# Altium PCB TEBF0808.PcbDoc (part 9 of 11) (continued)
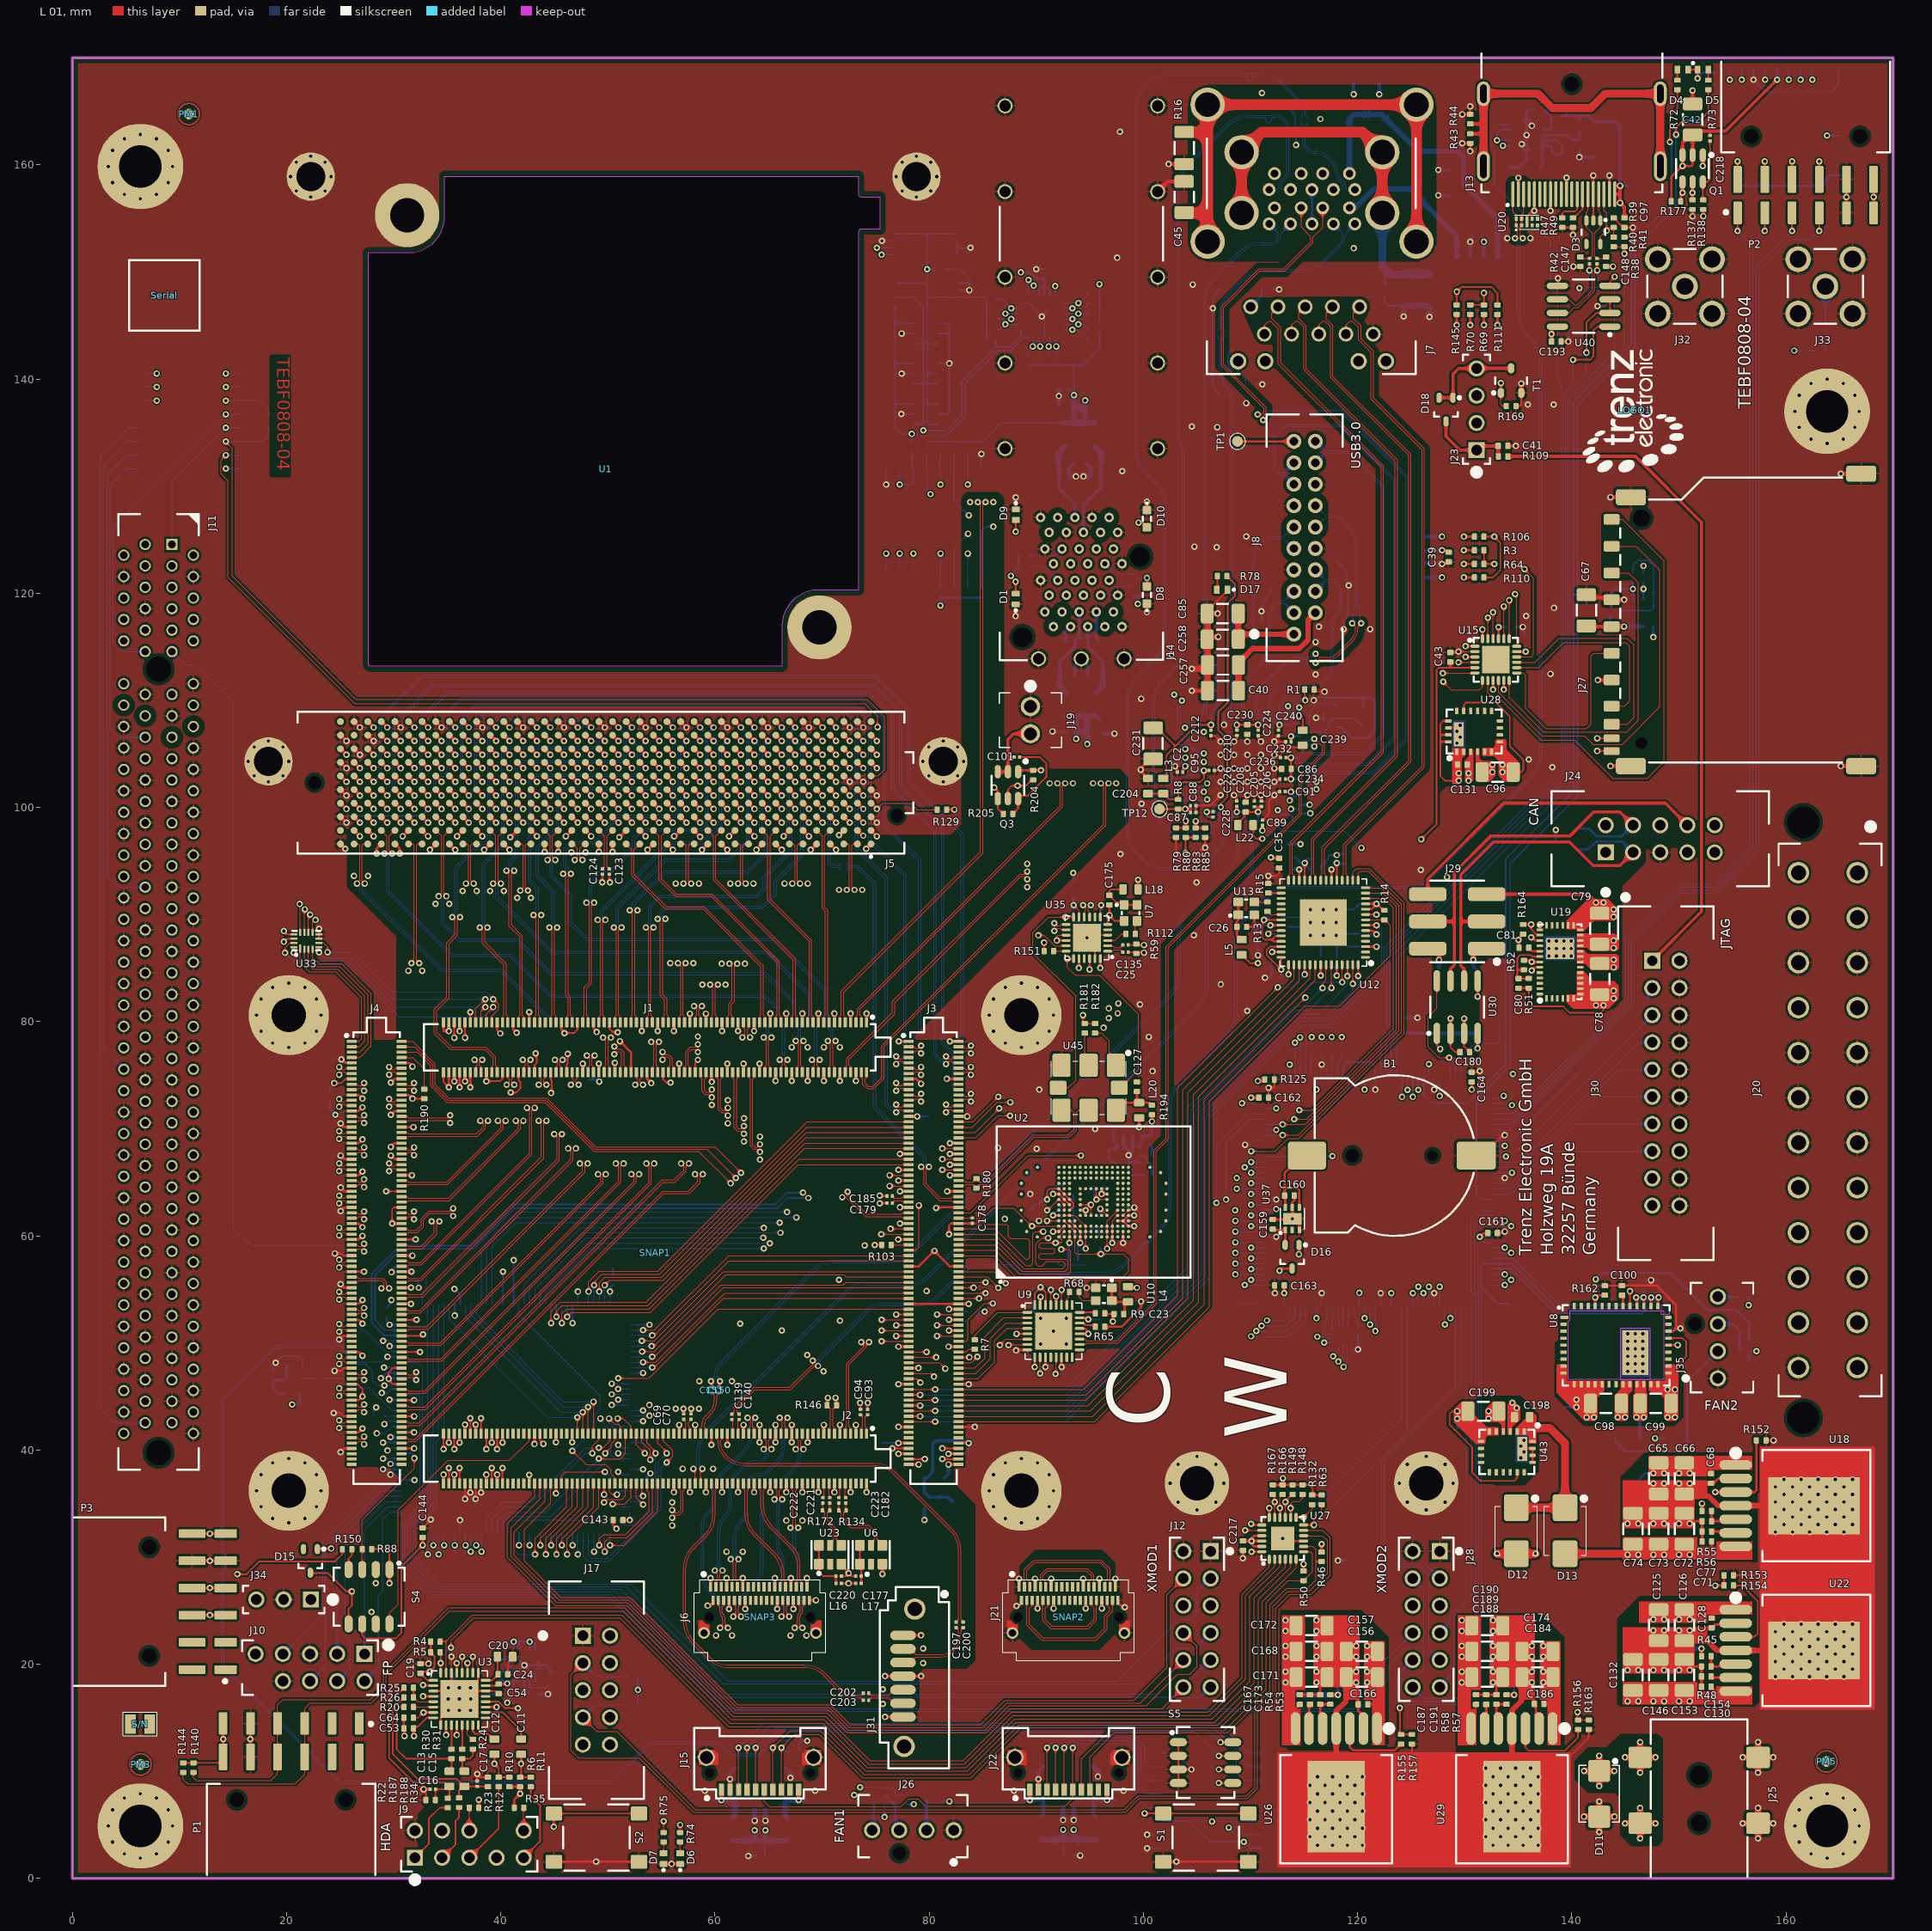
[diagram p0: L 01 view]
## Nets (pads, with @x,y where several pads share a name; then routed paths per layer and width w, separated by ;. In a path a pad name is that pad's centre, name@x,y a point inside that pad or via, vN(x,y) a via of type N, cw(c..) or ccw(c..) an arc to the next point about the centre after c; other vN are vias at no path point) (continued)
SC_IO8: U17.22 U39.126 | length 109.6
  L 12 S w0.1: v1(29.125,42.425) 30.325,42.425 31.8,40.95 32.2,40.95 32.825,40.325 32.825,38.15 39.075,31.9 58.445,31.9 59.07,31.275 90.95,31.275 108.05,48.375 111.225,48.375 117.525,54.675 v1(120.15,54.675)
  L 16 w0.1: v1(29.125,42.425) 29.4,42.7 U39.126@30.78,42.7 ; U17.22@120.15,53.48 v1(120.15,54.675)
SC_SCL: R132.2 U17.14 U27.13 | length 25.8
  L 01 w0.1: U27.13@114.25,33.7 v1(114.95,33.7) 115.75,34.5 R132.2@115.75,34.905
  L 16 w0.1: v1(114.95,33.7) 124.15,42.9 U17.14@124.15,53.48
SC_SDA: R63.2 U17.13 U27.12 | length 27.3
  L 01 w0.1: U27.12@114.95,33 v1(115.925,33) 115.925,33.65 116.65,34.375 R63.2@116.65,34.905
  L 16 w0.1: v1(115.925,33) 124.65,41.725 U17.13@124.65,53.48
SD_A_EN: Q1.5 R137.1 U39.140 | length 192.5
  L 01 w0.15: R137.1@151.275,156.72 Q1.5@151.275,158.395
  L 05 S w0.1: v1(29.61,49.7) 30.525,48.785 30.525,46.375 31.7,45.2 44.325,45.2 69.825,70.7 89.625,70.7 124.775,105.85 124.775,115.075 131.775,122.075 133,122.075 154.725,143.8 154.725,153.925 v1(151.25,157.4)
  L 16 w0.1: v1(29.61,49.7) U39.140@30.78,49.7
SD_B_EN: Q2.5 R139.1 U39.122 | length 160.5
  L 05 S w0.1: v1(28.995,40.695) 28.995,41.43 31.49,43.925 43.475,43.925 69.988,70.438 89.738,70.438 125.1,105.8 125.1,114.225 132.475,121.6 145.475,121.6 v1(146.675,120.4)
  L 16 w0.15: v1@28.995,40.7 U39.122@30.78,40.7 ; Q2.5@146.65,119.405 146.675,119.43 v1(146.675,120.4) R139.1@146.675,121.03
SD_CD: J3.103 U39.65 | length 37.4
  L 01 w0.1: v1(76.911,52.653) J3.103@78.07,52.653
  L 03 S w0.1: v1(50.95,37.95) 50.375,38.525 50.375,41.6 52.975,44.2 v1(53.875,44.2)
  L 05 S w0.1: v1(53.875,44.2) 62.328,52.653 v1(76.911,52.653)
  L 16 w0.1: v1(50.95,37.95) 51.2,37.7 U39.65@52.12,37.7
SD_CD_B: J27.10 U39.143 | length 157.9
  L 01 w0.1: v1(142.36,106.46) J27.10@143.71,106.46
  L 05 S w0.15: v1(68.716,63.534) 74.946,69.764 90.089,69.764 112.964,92.639 114.314,92.639 125.925,104.25 125.925,113.6 129.5,117.175 132.1,117.175 132.425,116.85 132.425,116.395 v1(142.36,106.46)
  L 16 w0.15: U39.143@30.78,51.2 29.175,51.2 28.275,52.1 28.275,56.35 30.7,58.775 37.475,58.775 41.275,62.575 65.825,62.575 66.784,63.534 v1(68.716,63.534)
SD_CD_S: J16.9 U39.142 | length 210.5
  L 05 S w0.15: v1(68.221,64.029) 74.292,70.1 89.875,70.1 112.75,92.975 114.175,92.975 125.589,104.389 125.589,113.739 132.35,120.5 135.375,120.5 135.975,119.9 147.375,119.9 149.25,121.775 149.25,136.4 156.925,144.075 156.925,151.525 163.825,158.425 v1(163.825,162.725)
  L 16 w0.15: U39.142@30.78,50.7 29.1,50.7 27.95,51.85 27.95,56.468 30.557,59.075 37.225,59.075 41.075,62.925 65.6,62.925 66.704,64.029 v1(68.221,64.029) ; v1(163.825,162.725) J16.9@165.04,162.725
SD_CLK: J3.114 U15.9 | length 93.4
  L 01 w0.1: J3.114@82.74,50.153 83.453,50.153 83.6,50.3 83.6,52.15 85.15,53.7 v1(85.95,53.7) ; v1(132.65,111) U15.9@132.65,111.85
  L 05 S w0.1: v1(85.95,53.7) 88.15,55.9 97.677,55.9 105.2,63.423 105.2,72.307 112.793,79.9 120.5,79.9 127.8,87.2 127.8,103.65 130.75,106.6 130.75,109.1 v1(132.65,111)
SD_CMD: J3.113 U15.4 | length 104.5
  L 01 w0.1: v1(75.561,50.153) J3.113@78.07,50.153 ; v1(129.41,113.55) U15.4@130.95,113.55
  L 05 S w0.1: v1(75.561,50.153) 77.253,50.153 84.25,57.15 87.85,57.15 88.825,56.175 97.669,56.175 104.937,63.443 104.937,72.437 112.65,80.15 120.4,80.15 127.537,87.287 127.537,109.327 129.41,111.2 v1(129.41,113.55)
SD_DAT0: J3.105 U15.6 | length 102.9
  L 01 w0.1: v1(75.561,52.153) J3.105@78.07,52.153 ; v1(127.94,112.53) 130.93,112.53 U15.6@130.95,112.55
  L 05 S w0.1: v1(75.561,52.153) 77.703,52.153 83.69,58.14 88.26,58.14 89.25,57.15 97.513,57.15 103.947,63.585 103.947,72.847 112.24,81.14 119.99,81.14 126.547,87.697 126.547,111.137 v1(127.94,112.53)
SD_DAT1: J3.107 U15.7 | length 101.4
  L 01 w0.1: v1(76.911,51.653) J3.107@78.07,51.653 ; v1(127.99,111.73) 128.74,110.98 131.37,110.98 131.65,111.26 U15.7@131.65,111.85
  L 05 S w0.1: v1(76.911,51.653) 77.553,51.653 83.795,57.895 88.158,57.895 89.153,56.9 97.546,56.9 104.193,63.547 104.193,72.746 112.342,80.895 120.092,80.895 126.793,87.596 126.793,110.533 v1(127.99,111.73)
SD_DAT2: J3.109 U15.1 | length 105.5
  L 01 w0.1: v1(75.561,51.153) J3.109@78.07,51.153 ; v1(130.08,115.05) U15.1@130.95,115.05
  L 02 G w0.15: v1@130.07,115.04 v1(130.08,115.05)
  L 05 S w0.1: v1(75.561,51.153) 77.453,51.153 83.947,57.647 88.056,57.647 89.053,56.65 97.579,56.65 104.44,63.512 104.44,72.643 112.444,80.647 120.194,80.647 127.04,87.493 127.04,109.98 128.54,111.48 128.54,114.48 129.11,115.05 v1(130.08,115.05)
SD_DAT3: J3.111 U15.3 | length 102.2
  L 01 w0.1: v1(76.911,50.653) J3.111@78.07,50.653 ; v1(130.08,114.05) U15.3@130.95,114.05
  L 02 G w0.15: v1@130.07,114.04 v1(130.08,114.05)
  L 05 S w0.1: v1(76.911,50.653) 77.353,50.653 84.097,57.397 87.953,57.397 88.95,56.4 97.611,56.4 104.69,63.478 104.69,72.54 112.547,80.397 120.297,80.397 127.29,87.39 127.29,109.58 128.89,111.18 128.89,113.88 129.06,114.05 v1(130.08,114.05)
SD_WP: J27.11 U17.100 | length 38.3
  L 01 w0.1: v1(142.36,105.26) J27.11@143.71,105.26
  L 05 S w0.1: v1(126.65,76.025) 126.65,77.35 129.175,79.875 129.175,92.075 v1(142.36,105.26)
  L 16 w0.1: U17.100@126.65,74.82 v1(126.65,76.025)
SEL_SD: U15.24 U39.62 | length 134.3
  L 01 w0.1: U15.24@131.65,115.75 v1(131.65,116.62)
  L 02 G w0.15: v1@131.64,116.63 v1(131.65,116.62)
  L 05 S w0.1: v1(49.3,42.95) 49.925,43.575 50.775,43.575 65.075,57.875 71.675,57.875 78.55,64.75 82.075,64.75 86.7,69.375 92.025,69.375 104.1,81.45 119.775,81.45 125.325,87 125.325,98.45 126.25,99.375 126.25,113.225 129.645,116.62 v1(131.65,116.62)
  L 16 w0.1: v1(49.3,42.95) 49.3,42.75 50.325,41.725 50.325,39.525 50.65,39.2 U39.62@52.12,39.2
SFP1_LOS: J14.T8 R113.1 U17.32 | length 95.7
  L 12 S w0.1: J14.T8@92,121.2 91.375,121.2 90,119.825 90,116.675 90.8,115.875 99.65,115.875 101.33,114.195 101.33,59.326 v1(110.04,50.615)
  L 16 w0.1: R113.1@89.22,122.525 90.675,122.525 J14.T8@92,121.2 ; v1(110.04,50.615) 113.59,50.615 115.15,52.175 U17.32@115.15,53.48
SFP1_M-DEF0: J14.T6 R87.1 U44.11 | length 20
  L 03 S w0.1: v1(83.625,125.55) 85.05,126.975 88.875,126.975 89.425,126.425 89.425,124.025 91.45,122 92.2,122 93,121.2 J14.T6@93.6,121.2
  L 05 S w0.1: J14.T6@93.6,121.15 J14.T6@93.6,121.2
  L 16 w0.1: R87.1@82.325,120.47 82.33,120.475 U44.11@82.33,122.275 82.33,124.255 v1(83.625,125.55)
SFP1_RS0: J14.T7 R108.1 U44.10 | length 19
  L 01 w0.1: v1@83.58,123.725 v1(83.6,123.705)
  L 03 S w0.15: v1(83.6,123.705) 84.87,124.975 84.87,125.945 85.625,126.7 88.625,126.7 89.125,126.2 89.125,123.95 91.275,121.8 91.275,120.775 92.24,119.81 J14.T7@92.8,119.81
  L 16 w0.1: R108.1@83.6,120.47 U44.10@83.6,122.275 v1(83.6,123.705)
SFP1_RS1: J14.T9 R117.1 U44.9 | length 17.1
  L 03 S w0.15: v1(85.98,126.205) 88.545,126.205 88.775,125.975 88.775,121.4 90.365,119.81 J14.T9@91.2,119.81
  L 16 w0.15: R117.1@84.875,120.47 84.87,120.475 U44.9@84.87,122.275 84.87,125.77 85.305,126.205 v1(85.98,126.205)
SFP1_SCL: J14.T5 R21.1 U16.8 | length 27.5
  L 03 S w0.1: v1(91.16,143.05) 95,139.21 95,128.65 94.4,128.05 94.4,126.75 95.05,126.1 95.05,125.1 94.65,124.7 94.65,123.65 94.15,123.15 94.15,121.95 94.4,121.7 J14.T5@94.4,119.81
  L 16 w0.1: R21.1@91.16,142.225 v1(91.16,143.05) 91.26,143.15 U16.8@91.26,143.9
SFP1_SDA: J14.T4 R18.1 U16.7 | length 26.2
  L 03 S w0.1: v1(91.86,143.05) 95.36,139.55 95.36,128.665 95.95,128.075 95.95,126.7 95.3,126.05 95.3,124.95 94.9,124.55 94.9,123.75 95.45,123.2 95.45,122.1 95.2,121.85 J14.T4@95.2,121.2
  L 16 w0.1: U16.7@91.76,143.9 91.76,143.15 v1(91.86,143.05) 91.86,142.525 R18.1@92.16,142.225
SFP1_TX_DIS: J14.T3 R107.1 U17.33 | length 86
  L 12 S w0.1: J14.T3@96,119.81 96.665,120.475 98.1,120.475 98.45,120.125 98.45,117.458 101.6,114.308 101.6,60.045 v1(110.535,51.11)
  L 16 w0.1: J14.T3@96,119.81 96.51,119.81 97.345,120.645 R107.1@98.975,120.645 ; v1(110.535,51.11) 113.485,51.11 114.65,52.275 U17.33@114.65,53.48
SFP1_TX_FAULT: J14.T2 R86.1 U44.5 | length 25.4
  L 01 w0.1: v1(81.06,130.145) v1@81.08,130.125
  L 05 S w0.1: v1(81.06,130.145) 81.06,128.84 83.45,126.45 84.025,126.45 85.475,125 94.175,125 94.65,124.525 94.65,123.95 95.125,123.475 96.775,123.475 97.225,123.025 97.225,121.625 J14.T2@96.8,121.2
  L 16 w0.1: R86.1@81.025,133.255 81.025,131.61 U44.5@81.06,131.575 v1(81.06,130.145)
SFP2_LOS: J14.L8 R123.1 U17.35 | length 85
  L 12 S w0.1: J14.L8@96.4,122.75 96.9,122.25 97.25,122.25 98.975,120.525 98.975,117.675 102.125,114.525 102.125,61.5 v1(111.525,52.1)
  L 16 w0.1: J14.L8@96.4,122.75 97.325,121.825 99.13,121.825 99.925,121.03 R123.1@99.925,120.645 ; v1(111.525,52.1) 113.2,52.1 113.65,52.55 U17.35@113.65,53.48
SFP2_M-DEF0: J14.L6 R122.1 U44.4 | length 22.6
  L 05 S w0.1: v1(80.125,129.25) 80.125,127.95 83.325,124.75 92.75,124.75 93.175,124.325 93.175,123.775 94.2,122.75 J14.L6@94.8,122.75
  L 16 w0.1: R122.1@79.75,133.23 79.75,131.615 U44.4@79.79,131.575 79.79,129.61 80.125,129.275 v1(80.125,129.25)
SFP2_RS0: J14.L7 R124.1 U44.6 | length 20.5
  L 05 S w0.1: v1(83.7,127.275) 86.3,127.275 87.275,126.3 94.725,126.3 95.175,125.85 95.175,124.555 J14.L7@95.6,124.13
  L 16 w0.1: R124.1@82.325,133.255 82.325,131.58 U44.6@82.33,131.575
  L 16 w0.15: U44.6@82.33,131.575 82.33,128.645 v1(83.7,127.275)
SFP2_RS1: J14.L9 R127.1 U44.7 | length 20.4
  L 01 w0.1: v1(83.6,130.145) v1@83.62,130.125
  L 05 S w0.1: v1(83.6,130.145) 85.805,130.145 88.05,127.9 95.475,127.9 96.025,127.35 96.025,126.625 96.825,125.825 96.825,124.505 J14.L9@97.2,124.13
  L 16 w0.1: v1(83.6,130.145) U44.7@83.6,131.575 R127.1@83.6,133.255
SFP2_SCL: J14.L5 R121.1 U16.11 | length 27.8
  L 03 S w0.1: v1(89.66,143.05) 91.25,141.46 91.25,126.7 91.95,126 91.95,125.15 91.6,124.8 91.6,123.75 92.4,122.95 92.4,122.3 92.8,121.9 93.5,121.9 93.9,122.3 93.9,124.03 J14.L5@94,124.13
  L 16 w0.1: R121.1@89.15,142.225 89.15,142.54 v1(89.66,143.05) 89.76,143.15 U16.11@89.76,143.9
SFP2_SDA: J14.L4 R115.1 U16.10 | length 23.6
  L 03 S w0.1: v1(90.36,143.05) 92.8,140.61 92.8,126.8 93.55,126.05 93.55,125 93.2,124.65 J14.L4@93.2,122.75
  L 16 w0.1: R115.1@90.15,142.225 90.36,142.435 v1(90.36,143.05) 90.26,143.15 U16.10@90.26,143.9
SFP2_TX_DIS: J14.L3 R118.1 U17.34 | length 90.9
  L 12 S w0.1: J14.L3@92.4,124.13 92.4,122.15 92.6,121.95 97.175,121.95 98.725,120.4 98.725,117.571 101.875,114.421 101.875,60.76 v1(111.03,51.605)
  L 16 w0.1: R118.1@89.215,123.5 91.77,123.5 J14.L3@92.4,124.13 ; v1(111.03,51.605) 113.305,51.605 114.15,52.45 U17.34@114.15,53.48
SFP2_TX_FAULT: J14.L2 R114.1 U44.12 | length 14.2
  L 01 w0.1: v1@81.04,123.725 v1(81.06,123.705)
  L 05 S w0.1: v1(81.06,123.705) 82.015,122.75 88.525,122.75 J14.L2@91.6,122.75
  L 16 w0.1: R114.1@81.05,120.47 81.06,120.48 U44.12@81.06,122.275 v1(81.06,123.705)
SFP_LED1: R101.1 U17.81 | length 2.4
  L 16 w0.1: R101.1@116.65,77.005 116.65,76.65 117.15,76.15 U17.81@117.15,74.82
SFP_LED2: R102.1 U17.82 | length 2.1
  L 16 w0.1: U17.82@117.65,74.82 R102.1@117.65,76.93
SFP_LED3: R104.1 U17.78 | length 2.2
  L 16 w0.1: U17.78@115.65,74.82 115.65,76.955 R104.1@115.7,77.005
SFP_LED4: R105.1 U17.83 | length 2.3
  L 16 w0.1: U17.83@118.15,74.82 118.15,76.2 118.525,76.575 R105.1@118.525,77.005
SFP_SCL: R165.2 U16.4 U44.14 | length 32.8
  L 01 w0.1: v1@78.5,123.725 v1(78.52,123.705)
  L 05 S w0.1: v1(78.52,123.705) 78.52,129.295 91.025,141.8 92.125,141.8 92.825,142.5 92.825,145.055 v1(93.37,145.6)
  L 16 w0.1: U44.14@78.52,122.275 v1(78.52,123.705) ; U16.4@92.46,145.6 v1(93.37,145.6) 94.735,145.6 R165.2@95.005,145.33
SFP_SDA: R179.2 U16.3 U44.15 | length 34.8
  L 01 w0.1: v1@77.23,123.725 v1(77.25,123.705)
  L 05 S w0.1: v1(77.25,123.705) 77.25,128.4 88.9,140.05 88.9,143.475 91.525,146.1 v1(93.92,146.1)
  L 16 w0.1: U44.15@77.25,122.275 v1(77.25,123.705) ; U16.3@92.46,146.1 v1(93.92,146.1) 94.875,146.1 R179.2@95.005,146.23
SI_PLL_1V8: J3.151 TP36.1 | length 2.5
  L 01 w0.15: v1(77.128,40.653) J3.151@78.07,40.653
  L 16 w0.15: TP36.1@75.578,40.653 v1(77.128,40.653)
SRST_B: J2.96 U39.19 | length 23.7
  L 01 w0.1: v1(46.675,39.925) 47.975,38.625 49.8,38.625 50.3,38.125 50.3,37.75 50.655,37.395 J2.96@50.655,36.868
  L 16 w0.1: U39.19@41.7,53.62 41.7,52.625 49.275,45.05 49.275,43.8 48.75,43.275 48.75,42 v1(46.675,39.925)
STAT_LED0: R72.1 U17.99 | length 108.9
  L 01 w0.15: v1(149.15,162.125) 149.15,164.575 149.85,165.275 R72.1@149.85,167.015
  L 16 w0.15: U17.99@126.15,74.82 126.15,73.175 126.925,72.4 130.25,72.4 133.825,75.975 133.825,95.207 140.175,101.557 140.175,137.9 145.525,143.25 145.525,152.6 149.325,156.4 149.325,161.95 v1(149.15,162.125)
STAT_LED1: R73.1 U17.128 | length 114.7
  L 01 w0.15: v1(149.725,162.825) 149.725,163.475 150.425,164.175 151.975,164.175 152.74,164.94 R73.1@152.74,167.015
  L 16 w0.15: U17.128@132.57,63.4 131.475,63.4 131.1,63.775 131.1,72.725 134.25,75.875 134.25,94.75 140.525,101.025 140.525,137.625 145.9,143 145.9,152.25 149.725,156.075 v1(149.725,162.825)
STAT_LED2: R74.1 U39.98 | length 45.8
  L 01 w0.1: R74.1@56.75,4.295 v1(56.75,5)
  L 03 S w0.1: v1(37.7,31.11) 37.7,30 33.8,26.1 33.8,19.8 34.65,18.95 41.4,18.95 45.5,14.85 45.5,12.15 53,4.65 56.4,4.65 v1(56.75,5)
  L 16 w0.1: v1(37.7,31.11) U39.98@37.7,32.28
STAT_LED3: R75.1 U39.97 | length 42.5
  L 01 w0.1: R75.1@55.2,4.295 v1(55.2,5.35)
  L 03 S w0.1: v1(38.2,30.51) 38.2,29.925 34.85,26.575 34.85,20.3 35.95,19.2 41.55,19.2 45.783,14.967 45.783,12.317 52.75,5.35 v1(55.2,5.35)
  L 16 w0.1: v1(38.2,30.51) U39.97@38.2,32.28
TCK: J2.120 J12.4 | length 85.7
  L 01 w0.1: J2.120@44.655,36.868 44.655,35.034 42.2,32.579 42.2,29.65 45.6,26.25 52.071,26.25 62.096,16.225 70.765,16.225 72.64,14.35 84.8,14.35 87.068,16.618 99.118,16.618 102.2,19.7 102.2,26.48 J12.4@103.73,28.01
TDI: J2.122 J12.10 | length 79.7
  L 01 w0.1: J2.122@44.155,36.868 44.155,35.241 41.25,32.336 41.25,30.15 45.411,25.989 51.978,25.989 61.992,15.975 70.661,15.975 72.536,14.1 85,14.1 87.268,16.368 99.708,16.368 J12.10@103.73,20.39
TDO: J2.124 J12.8 | length 84.8
  L 01 w0.1: J2.124@43.655,36.868 43.655,35.448 40.95,32.743 40.95,30.05 45.225,25.775 51.839,25.775 61.889,15.725 70.558,15.725 72.433,13.85 85.207,13.85 87.476,16.118 100.268,16.118 103.2,19.05 104.3,19.05 105,19.75 105,21.66 J12.8@103.73,22.93
TMS: J2.126 J12.12 | length 79.6
  L 01 w0.1: J2.126@43.155,36.868 43.155,35.655 40.625,33.125 40.625,29.975 45.1,25.5 51.75,25.5 61.782,15.468 70.451,15.468 72.326,13.593 85.314,13.593 87.582,15.861 101.741,15.861 J12.12@103.73,17.85
U3D1_N: C9.2 J8.14 U51.1 U51.9 | length 11.8
  L 16 w0.1: J8.14@116.05,128.175 116.632,127.593 ccw(c117.4,128.361) 117.4,127.275 cw(c117.4,125.445) 118.694,126.739 119.197,126.235 cw(c117.26,124.298) 120,124.298 120,119.017 ccw(c120.584,119.017) 120.171,118.605 C9.2@120.221,118.555
U3D1_P: C10.2 J8.15 U51.2 U51.8 | length 11.5
  L 16 w0.1: J8.15@116.05,126.175 116.632,126.757 cw(c117.4,125.989) 117.4,127.075 cw(c117.4,125.445) 118.552,126.598 119.056,126.094 cw(c117.26,124.298) 119.8,124.298 119.8,119.037 cw(c119.189,119.037) 119.621,118.605 C10.2@119.571,118.555
U3D2_N: C7.2 J8.5 U49.4 U49.7 | length 12.1
  L 16 w0.1: C7.2@110.611,116.227 110.487,116.352 cw(c110.76,116.625) 110.374,116.625 110.374,123.05 cw(c112.543,123.05) 111.009,124.584 111.075,124.65 cw(c112.101,123.624) 112.101,125.075 112.8,125.075 cw(c112.8,124.23) 113.397,124.828 J8.5@114.05,124.175
U3D2_P: C8.2 J8.6 U49.5 U49.6 | length 12.4
  L 16 w0.1: C8.2@109.936,116.227 110.06,116.352 ccw(c109.787,116.625) 110.174,116.625 110.174,123.05 cw(c112.543,123.05) 110.867,124.725 110.934,124.791 cw(c112.101,123.624) 112.101,125.275 112.8,125.275 ccw(c112.8,126.12) 113.397,125.522 J8.6@114.05,126.175
U3D3_N: C5.2 J7.U17 U50.4 U50.7 | length 18.2
  L 16 w0.1: C5.2@106.881,144.522 107.041,144.682 ccw(c106.823,144.9) 107.131,144.9 107.131,146.5 cw(c108.915,146.5) 107.653,147.761 109.29,149.397 cw(c111.227,147.46) 111.227,150.2 114.765,150.2 ccw(c114.765,152.94) 116.703,151.003 118.376,152.676 ccw(c117.753,153.3) 118.635,153.3 ccw(c117.952,153.3) 118.435,153.783 J7.U17@117.735,154.483
U3D3_P: C6.2 J7.U18 U50.5 U50.6 | length 18.2
  L 16 w0.1: C6.2@107.581,144.522 107.421,144.682 cw(c107.639,144.9) 107.331,144.9 107.331,146.5 cw(c108.915,146.5) 107.795,147.62 109.431,149.256 cw(c111.227,147.46) 111.227,150 114.931,150 ccw(c114.931,152.54) 116.727,150.744 118.518,152.535 ccw(c117.753,153.3) 118.835,153.3 cw(c119.517,153.3) 119.035,153.783 J7.U18@119.735,154.483
U3D4_N: C4.2 J7.U9 U11.5 U11.6 | length 9
  L 16 w0.1: C4.2@115.35,163.925 115.241,163.816 ccw(c115.583,163.475) 115.1,163.475 115.1,162.012 ccw(c115.612,162.012) 115.25,161.65 115.385,161.515 ccw(c116.025,162.155) 116.025,161.25 cw(c116.025,159.481) 117.276,160.732 117.787,160.221 cw(c117.09,159.525) 118.075,159.525 ccw(c119.263,159.525) 118.423,158.685 118.624,158.484 cw(c118.115,157.975) 118.835,157.975 ccw(c119.127,157.975) 119.127,157.683 J7.U9@119.735,157.683
U3D4_P: C3.2 J7.U8 U11.4 U11.7 | length 9
  L 16 w0.1: C3.2@114.65,163.925 114.759,163.816 cw(c114.417,163.475) 114.9,163.475 114.9,162.012 ccw(c115.612,162.012) 115.109,161.509 115.243,161.374 ccw(c116.025,162.155) 116.025,161.05 cw(c116.025,159.481) 117.135,160.59 117.645,160.08 cw(c117.09,159.525) 117.875,159.525 ccw(c119.263,159.525) 118.282,158.543 118.482,158.343 cw(c118.115,157.975) 118.635,157.975 cw(c118.342,157.975) 118.342,157.683 J7.U8@117.735,157.683
USB0_CLK: J3.118 R7.2 | length 1.6
  L 01 w0.1: J3.118@82.74,49.153 83.403,49.153 83.655,49.405 R7.2@84.25,49.405
USB0_CLKR: R7.1 U9.1 | length 6.2
  L 01 w0.1: R7.1@84.25,50.295 84.25,50.7 86.4,52.85 U9.1@89.16,52.85
USB0_D_N: U4.72 U9.19 | length 69.3
  L 01 w0.1: U9.19@94.04,50.35 94.54,50.35 94.69,50.2 97.492,50.2 101,53.708 101,67.983 102.125,69.108 102.125,86.983 114.55,99.408 114.55,102.958 114.625,103.033 116.725,105.133 116.725,105.717 116.492,105.95 116.205,105.95 v1(115.95,105.695)
  L 16 w0.1: U4.72@114.645,105.85 115.795,105.85 v1(115.95,105.695)
USB0_D_P: U4.71 U9.18 | length 70
  L 01 w0.1: U9.18@94.04,49.85 94.54,49.85 94.69,50 97.575,50 101.2,53.625 101.2,67.9 102.325,69.025 102.325,86.9 114.75,99.325 114.75,102.875 116.925,105.05 116.925,105.8 116.575,106.15 116.205,106.15 v1(115.95,106.405)
  L 16 w0.1: U4.71@114.645,106.25 115.795,106.25 v1(115.95,106.405)
USB0_DATA0: J3.126 U9.3 | length 9.5
  L 01 w0.1: J3.126@82.74,47.153 84.353,47.153 85.7,48.5 85.7,50.4 87.15,51.85 U9.3@89.16,51.85
USB0_DATA1: J3.128 U9.4 | length 9.5
  L 01 w0.1: J3.128@82.74,46.653 84.553,46.653 86.1,48.2 86.1,50.2 87.25,51.35 U9.4@89.16,51.35
USB0_DATA2: J3.122 U9.5 | length 7.6
  L 01 w0.1: J3.122@82.74,48.153 83.953,48.153 v1(84.5,48.7) ; v1(88.15,50.85) U9.5@89.16,50.85
  L 05 S w0.1: v1(84.5,48.7) 84.5,48.736 86.614,50.85 v1(88.15,50.85)
USB0_DATA3: J3.119 U9.6 | length 12.2
  L 01 w0.1: J3.119@78.07,48.653 v1(80.65,48.653) ; v1(86.6,49.8) 87.15,50.35 U9.6@89.16,50.35
  L 05 S w0.1: v1(80.65,48.653) 81.153,48.15 84.95,48.15 v1(86.6,49.8)
USB0_DATA4: J3.121 U9.7 | length 12.3
  L 01 w0.1: J3.121@78.07,48.153 80.947,48.153 v1(81.5,47.6) ; v1(87.4,49.8) 87.45,49.85 U9.7@89.16,49.85
  L 05 S w0.1: v1(81.5,47.6) 85.2,47.6 v1(87.4,49.8)
USB0_DATA5: J3.123 U9.9 | length 13.1
  L 01 w0.1: J3.123@78.07,47.653 v1@79,47.653 ; v1(89.85,47.75) U9.9@89.85,48.66
  L 05 S w0.1: v1(79,47.65) 80.55,47.65 81.05,47.15 88.45,47.15 89.05,47.75 v1(89.85,47.75)
USB0_DATA6: J3.125 U9.10 | length 14
  L 01 w0.1: J3.125@78.07,47.153 80.147,47.153 v1(80.45,46.85) ; v1(90.35,47.15) U9.10@90.35,48.66
  L 05 S w0.1: v1(80.45,46.85) 88.925,46.85 89.225,47.15 v1(90.35,47.15)
USB0_DATA7: J3.127 U9.13 | length 16
  L 01 w0.1: J3.127@78.07,46.653 78.822,46.653 v1(79.175,46.3) ; v1(91.8,47.1) 91.85,47.15 U9.13@91.85,48.66
  L 05 S w0.1: v1@79.05,46.425 v1(79.175,46.3) 81.475,46.3 81.8,46.625 91.325,46.625 v1(91.8,47.1)
USB0_DIR: J3.120 U9.31 | length 10.8
  L 01 w0.1: J3.120@82.74,48.653 v1@83.653,48.653 ; U9.31@90.35,53.54 v1@90.35,54.45
  L 05 S w0.1: v1(83.753,48.653) 89.4,54.3 v1(90.4,54.3)
USB0_ID: TP33.1 U9.23 | length 2.1
  L 01 w0.1: U9.23@94.04,52.35 94.65,52.35 v1@94.85,52.15
  L 16 w0.1: v1(94.85,52.2) 95.975,52.2 TP33.1@96,52.175
USB0_NXT: J3.124 U9.2 | length 9.5
  L 01 w0.1: J3.124@82.74,47.653 84.253,47.653 85.2,48.6 85.2,50.6 86.95,52.35 U9.2@89.16,52.35
USB0_RCLK: R68.2 U9.26 | length 1.3
  L 01 w0.1: U9.26@92.85,53.54 92.85,54.1 93,54.25 93,54.645 R68.2@93.105,54.75
USB0_RST: U9.27 U17.71 | length 29.1
  L 01 w0.1: U9.27@92.35,53.54 v1(92.35,54.95)
  L 14 S w0.1: v1(92.35,54.95) 94.475,57.075 96.575,57.075 109.2,69.7 v1(109.2,72.375)
  L 16 w0.1: v1(109.2,72.375) 109.225,72.4 U17.71@111.23,72.4
USB0_STP: J3.117 U9.29 | length 17.1
  L 01 w0.1: J3.117@78.07,49.153 78.073,49.15 v1(79.75,49.15) ; U9.29@91.35,53.54 v1(91.35,54.95)
  L 05 S w0.1: v1(79.75,49.15) 83.35,49.15 88.95,54.75 91.15,54.75 v1(91.35,54.95)
USB2_DN1_D_N: J8.12 U4.73 | length 39.5
  L 16 w0.1: U4.73@114.645,105.45 115.125,105.45 115.225,105.35 115.608,105.35 115.858,105.1 120.525,105.1 122.3,106.875 122.3,129.925 119.15,133.075 116.95,133.075 J8.12@116.05,132.175
USB2_DN1_D_P: J8.11 U4.74 | length 40.2
  L 16 w0.1: U4.74@114.645,105.05 115.125,105.05 115.225,105.15 115.525,105.15 115.775,104.9 120.608,104.9 122.5,106.792 122.5,130.008 119.233,133.275 116.95,133.275 J8.11@116.05,134.175
USB2_DN2_D_N: J8.8 U4.77 | length 53.8
  L 16 w0.1: J8.8@114.05,130.175 113.15,131.075 112.617,131.075 112.125,131.567 112.125,134.708 113.192,135.775 118.359,135.775 123.575,130.559 123.575,106.517 121.008,103.95 115.225,103.95 115.125,103.85 U4.77@114.645,103.85
USB2_DN2_D_P: J8.9 U4.76 | length 52.4
  L 16 w0.1: J8.9@114.05,132.175 113.15,131.275 112.7,131.275 112.325,131.65 112.325,134.625 113.275,135.575 118.276,135.575 123.375,130.476 123.375,106.6 120.925,104.15 115.225,104.15 115.125,104.25 U4.76@114.645,104.25
USB2_DN3_D_N: J7.U11 U4.78 | length 78.7
  L 01 w0.1: v1(111.17,136.18) 111.17,136.541 111.475,136.846 111.475,137.333 108.866,139.941 107.475,141.333 107.475,146.692 110.858,150.075 113.183,150.075 115.835,152.727 115.835,153.26 116.735,154.16 J7.U11@116.735,155.983
  L 16 w0.1: v1(111.17,136.18) 111.17,136.541 111.529,136.9 118.436,136.9 124.5,130.836 124.5,106.45 121.4,103.35 115.225,103.35 115.125,103.45 U4.78@114.645,103.45
USB2_DN3_D_P: J7.U12 U4.79 | length 79.4
  L 01 w0.1: v1(110.668,136.682) 111.028,136.682 111.275,136.929 111.275,137.25 107.275,141.25 107.275,146.775 110.775,150.275 113.1,150.275 115.635,152.81 115.635,153.265 114.735,154.165 J7.U12@114.735,155.983
  L 16 w0.1: v1(110.668,136.682) 111.028,136.682 111.446,137.1 118.519,137.1 124.7,130.919 124.7,106.367 121.483,103.15 115.225,103.15 115.125,103.05 U4.79@114.645,103.05
USB2_DN4_D_N: J7.U2 U4.82 | length 68.3
  L 14 S w0.1: v1(116.15,101.695) 116.405,101.95 116.833,101.95 117.6,102.717 117.6,109.475 124.425,116.3 124.425,144.258 122.625,146.058 122.625,147.758 119.358,151.025 117.633,151.025 115.835,152.823 115.835,153.36 116.485,154.01 116.485,154.94 115.835,155.59 115.835,156.51 116.735,157.41 J7.U2@116.735,159.183
  L 16 w0.1: U4.82@114.645,101.85 115.125,101.85 115.225,101.95 115.895,101.95 v1(116.15,101.695)
USB2_DN4_D_P: J7.U3 U4.81 | length 68
  L 14 S w0.1: J7.U3@114.735,159.183 114.735,157.415 115.635,156.515 115.635,155.61 114.985,154.96 114.985,154.015 115.635,153.365 115.635,152.74 117.55,150.825 119.275,150.825 122.425,147.675 122.425,145.975 124.225,144.175 124.225,116.383 117.4,109.558 117.4,102.8 116.75,102.15 116.405,102.15 v1(116.15,102.405)
  L 16 w0.1: U4.81@114.645,102.25 115.125,102.25 115.225,102.15 115.895,102.15 v1(116.15,102.405)
USB3_ID: J8.10 TP1.1 | length 5.3
  L 01 w0.2: TP1.1@108.775,134.175 J8.10@114.05,134.175
USB3_RXDN1_D_N: J8.18 U4.60 U51.5 U51.6 | length 19.1
  L 16 w0.1: U4.60@111.51,108.585 111.51,108.924 cw(c111.851,108.924) 111.61,109.165 111.61,109.502 cw(c113.398,109.502) 112.134,110.766 cw(c113.784,109.116) 113.784,111.45 115.42,111.45 ccw(c115.42,113.755) 117.05,112.125 ccw(c115.964,113.211) 117.5,113.211 117.5,116.922 cw(c119.378,116.922) 118.05,118.25 ccw(c117.446,118.854) 118.3,118.854 118.3,120.111 ccw(c117.361,120.111) 118.025,120.775 ccw(c117.301,120.051) 117.301,121.075 117.125,121.075 ccw(c117.125,120.653) 116.826,120.951 J8.18@116.05,120.175
USB3_RXDN1_D_P: J8.17 U4.61 U51.4 U51.7 | length 19.4
  L 16 w0.1: U4.61@111.91,108.585 111.91,108.924 ccw(c111.569,108.924) 111.81,109.165 111.81,109.502 cw(c113.398,109.502) 112.275,110.625 cw(c113.784,109.116) 113.784,111.25 115.42,111.25 ccw(c115.42,113.755) 117.191,111.984 ccw(c115.964,113.211) 117.7,113.211 117.7,116.922 cw(c119.378,116.922) 118.191,118.109 ccw(c117.446,118.854) 118.5,118.854 118.5,120.111 ccw(c117.361,120.111) 118.166,120.916 ccw(c117.301,120.051) 117.301,121.275 117.125,121.275 cw(c117.125,121.697) 116.826,121.399 J8.17@116.05,122.175
USB3_RXDN2_D_N: J8.2 U4.55 U49.1 U49.9 | length 13.4
  L 16 w0.1: U4.55@109.51,108.585 109.51,108.924 ccw(c109.169,108.924) 109.41,109.165 109.41,110.624 cw(c111.851,110.624) 110.125,112.35 111.072,113.297 ccw(c109.135,115.235) 111.875,115.235 111.875,117.965 cw(c112.985,117.965) 112.2,118.75 112.26,118.81 cw(c112.9,118.17) 112.9,119.075 cw(c112.9,118.471) 113.327,118.898 J8.2@114.05,118.175
USB3_RXDN2_D_P: J8.3 U4.54 U49.2 U49.8 | length 13.7
  L 16 w0.1: U4.54@109.11,108.585 109.11,108.924 cw(c109.451,108.924) 109.21,109.165 109.21,110.624 cw(c111.851,110.624) 109.984,112.491 110.931,113.439 ccw(c109.135,115.235) 111.675,115.235 111.675,117.965 cw(c112.985,117.965) 112.059,118.891 112.118,118.951 cw(c112.9,118.17) 112.9,119.275 ccw(c112.9,119.879) 113.327,119.452 J8.3@114.05,120.175
USB3_RXDN3_D_N: J7.U14 U4.45 U50.1 U50.9 | length 50.3
  L 16 w0.1: U4.45@105.51,108.585 105.51,109.065 105.625,109.18 105.625,147.423 cw(c108.365,147.423) 106.428,149.36 108.99,151.922 cw(c110.927,149.985) 110.927,152.725 111.938,152.725 ccw(c111.938,153.237) 112.3,152.875 112.518,153.093 ccw(c112.235,153.375) 112.635,153.375 ccw(c112.133,153.375) 112.488,153.73 J7.U14@111.735,154.483
USB3_RXDN3_D_P: J7.U15 U4.46 U50.2 U50.8 | length 50.3
  L 16 w0.1: U4.46@105.91,108.585 105.91,109.065 105.825,109.15 105.825,147.423 cw(c108.365,147.423) 106.569,149.219 109.131,151.781 cw(c110.927,149.985) 110.927,152.525 111.938,152.525 ccw(c111.938,153.237) 112.441,152.734 112.659,152.951 ccw(c112.235,153.375) 112.835,153.375 cw(c113.336,153.375) 112.982,153.73 J7.U15@113.735,154.483
USB3_RXDN4_D_N: J7.U5 U4.20 U11.1 U11.9 | length 88.5
  L 16 w0.1: U4.20@106.31,98.715 106.31,98.376 ccw(c106.651,98.376) 106.41,98.135 106.41,98.022 cw(c105.778,98.022) 106.225,97.575 cw(c105.621,98.179) 105.621,97.325 104.925,97.325 104.85,97.325 cw(c104.85,97.5) 104.675,97.5 104.675,97.579 ccw(c104.5,97.579) 104.5,97.754 104.35,97.754 ccw(c104.35,97.579) 104.175,97.579 104.175,97.5 cw(c104,97.5) 104,97.325 103.925,97.325 103.591,97.325 cw(c103.591,98.691) 102.625,97.725 101.739,98.611 cw(c103.404,100.275) 101.05,100.275 101.05,109.865 cw(c103.59,109.865) 101.794,111.661 103.047,112.915 ccw(c101.11,114.852) 103.85,114.852 103.85,133.18 ccw(c102.655,133.18) 103.5,134.025 cw(c103.862,134.387) 103.35,134.387 103.35,157.973 cw(c105.89,157.973) 104.094,159.769 108.006,163.681 cw(c109.802,161.885) 109.802,164.425 111.175,164.425 111.245,164.425 cw(c111.245,164.225) 111.445,164.225 111.445,164.125 ccw(c111.645,164.125) 111.645,163.925 111.745,163.925 ccw(c111.745,164.125) 111.945,164.125 111.945,164.225 cw(c112.145,164.225) 112.145,164.425 112.195,164.425 cw(c112.195,163.145) 113.1,164.05 113.17,163.98 cw(c112.615,163.425) 113.4,163.425 113.4,159.52 cw(c112.405,159.52) 113.109,158.816 112.912,158.62 ccw(c113.582,157.95) 112.635,157.95 cw(c112.367,157.95) 112.367,157.683 J7.U5@111.735,157.683
USB3_RXDN4_D_P: J7.U6 U4.19 U11.2 U11.8 | length 88.5
  L 16 w0.1: U4.19@106.71,98.715 106.71,98.376 cw(c106.369,98.376) 106.61,98.135 106.61,98.022 cw(c105.778,98.022) 106.366,97.434 cw(c105.621,98.179) 105.621,97.125 103.925,97.125 103.591,97.125 cw(c103.591,98.691) 102.484,97.584 101.598,98.469 cw(c103.404,100.275) 100.85,100.275 100.85,109.865 cw(c103.59,109.865) 101.653,111.803 102.906,113.056 ccw(c101.11,114.852) 103.65,114.852 103.65,133.18 ccw(c102.655,133.18) 103.359,133.884 cw(c103.862,134.387) 103.15,134.387 103.15,157.973 cw(c105.89,157.973) 103.953,159.91 107.865,163.822 cw(c109.802,161.885) 109.802,164.625 111.175,164.625 112.195,164.625 cw(c112.195,163.145) 113.241,164.191 113.312,164.121 cw(c112.615,163.425) 113.6,163.425 113.6,159.52 cw(c112.405,159.52) 113.25,158.675 113.054,158.479 ccw(c113.582,157.95) 112.835,157.95 ccw(c113.102,157.95) 113.102,157.683 J7.U6@113.735,157.683